# Altium PCB higgs.PcbDoc (part 1 of 25)
Units mm, origin at the board's own origin, x right, y up, seen from the top; angles counter-clockwise.
Board outline 160 x 160 mm, 15 copper layers (TOP, P1(GND), S1(V), P2(GND), S2(H), P3(GND), S3(V12/V2V5), S4(VDDR), P4(GND), S5(V), P5(GND), S6(H), P6(GND), P1(GND) (Plane1), BOT), stack 3.262 mm thick; 1283 components, 2419 nets, 11066 pads, 5487 vias.
Unrouted connection lines stored in the file: 239.
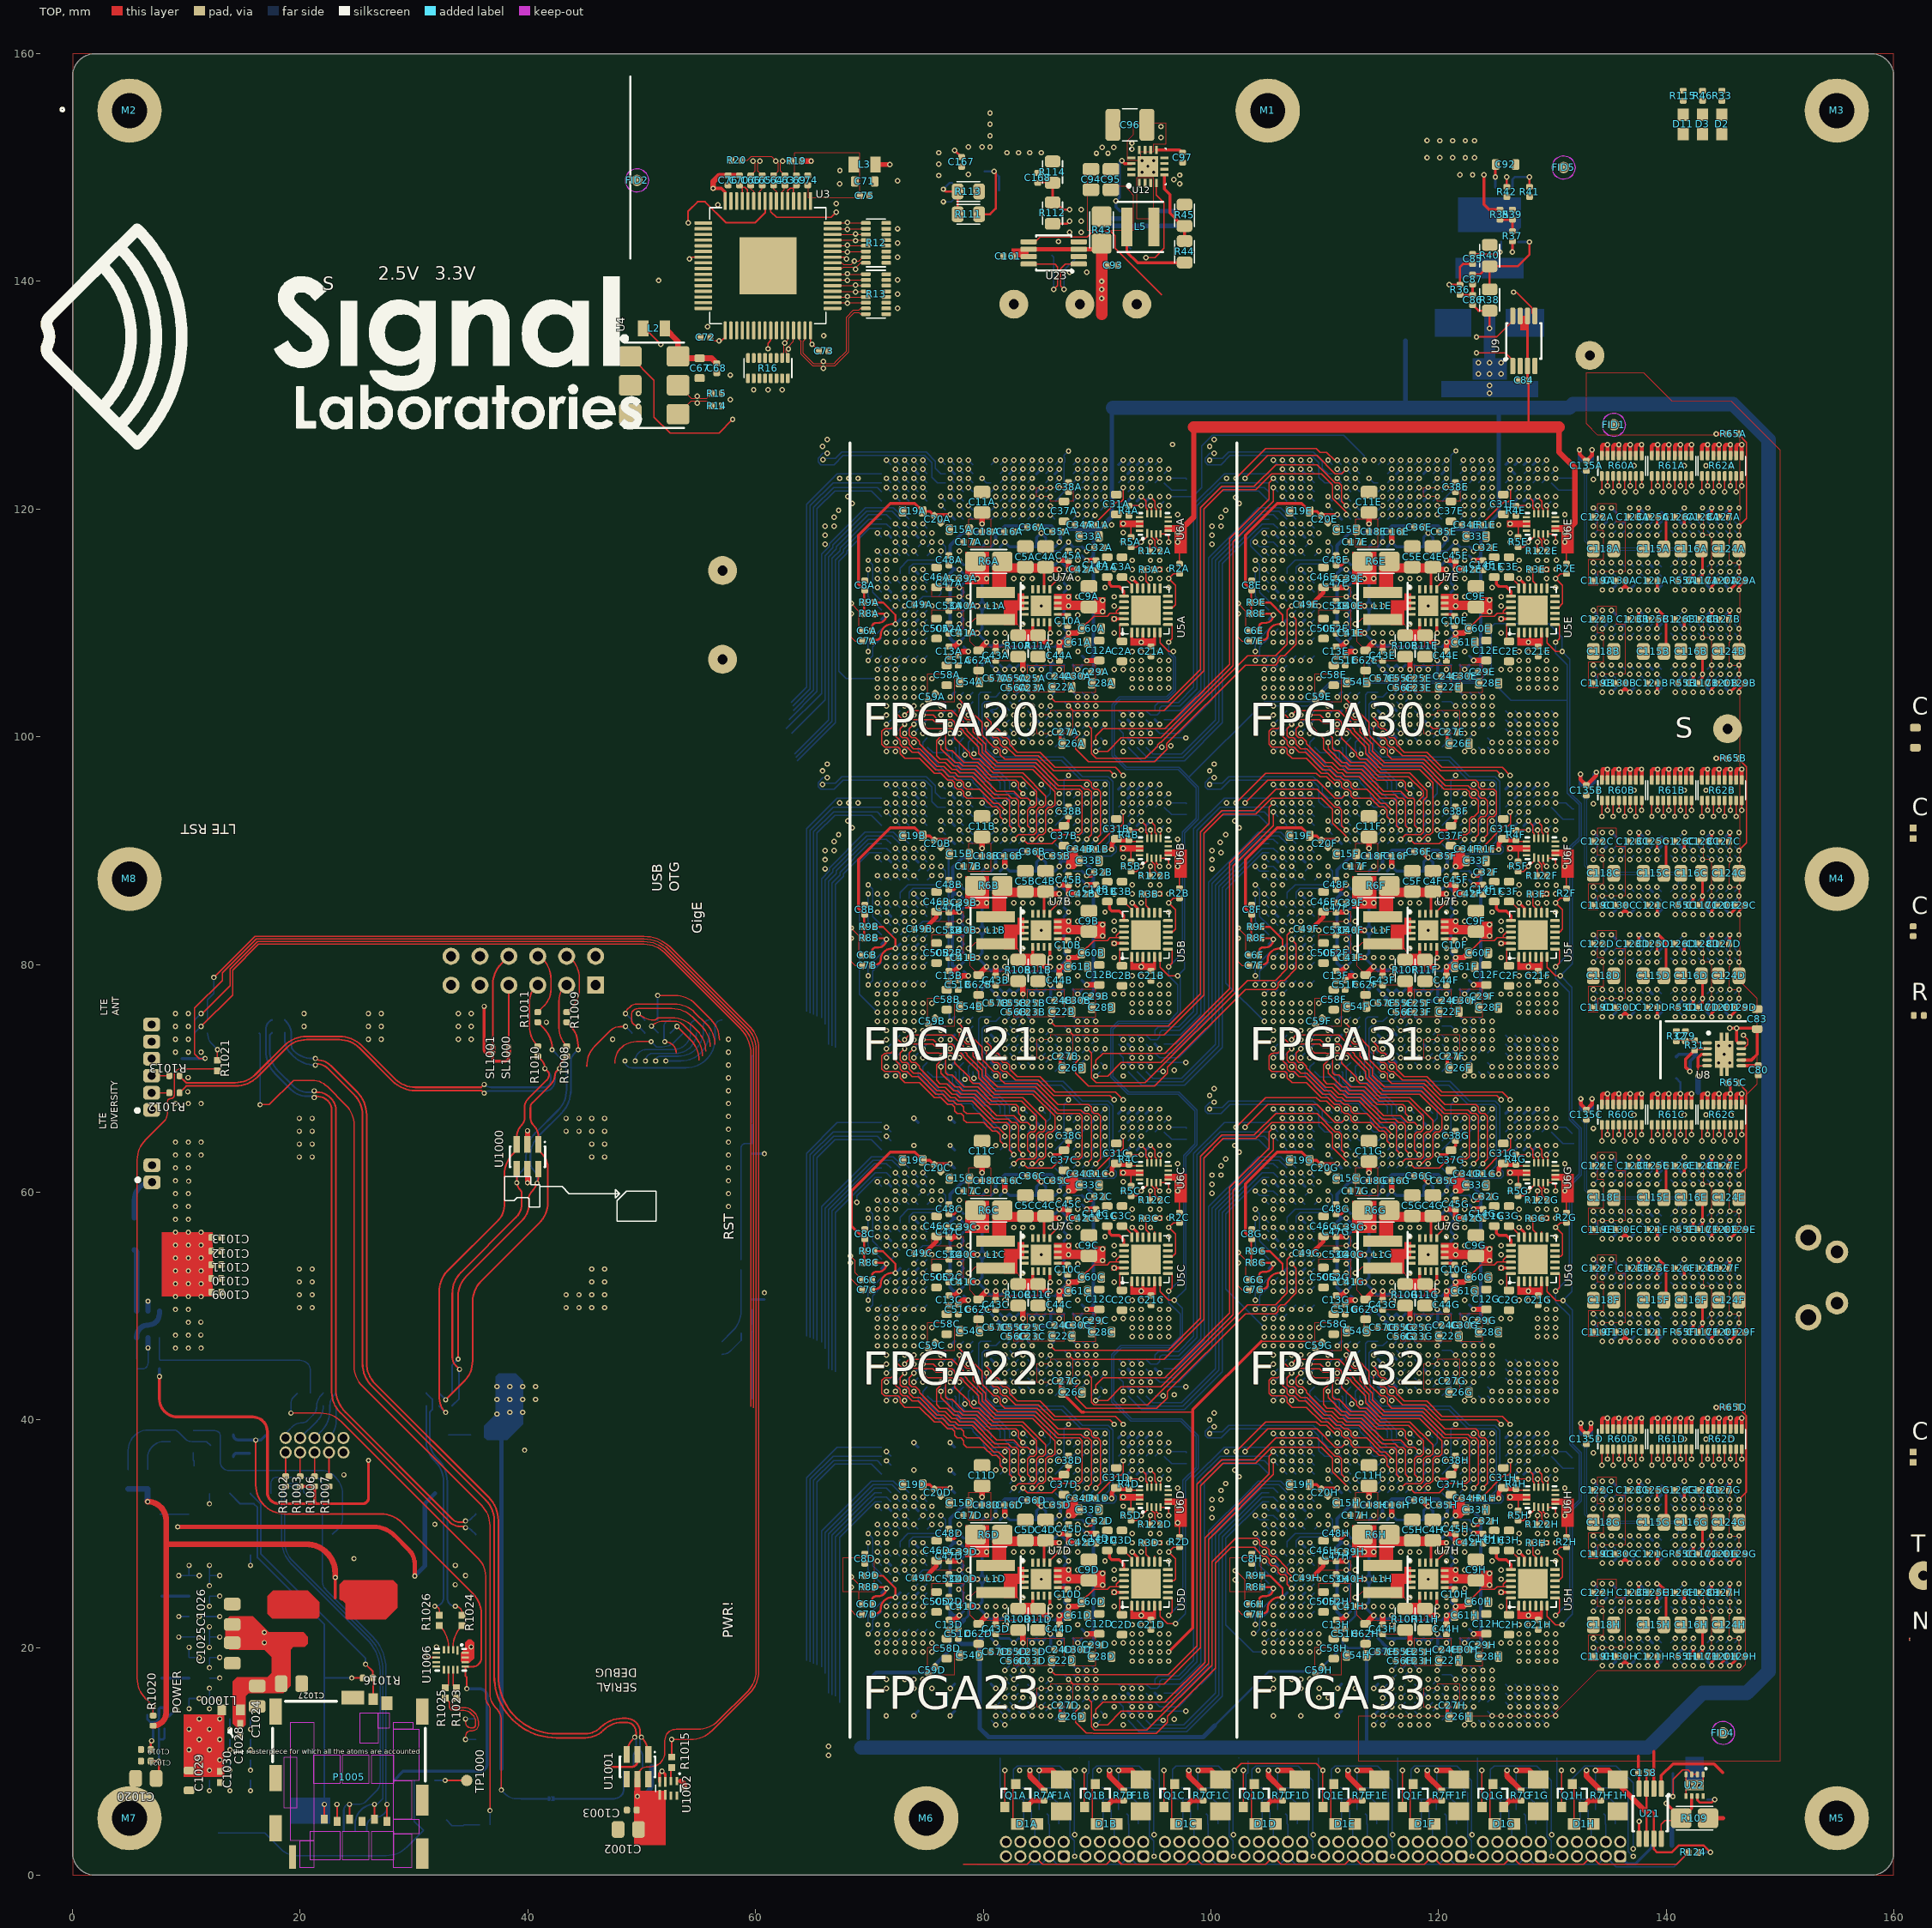
[diagram p0: TOP view]
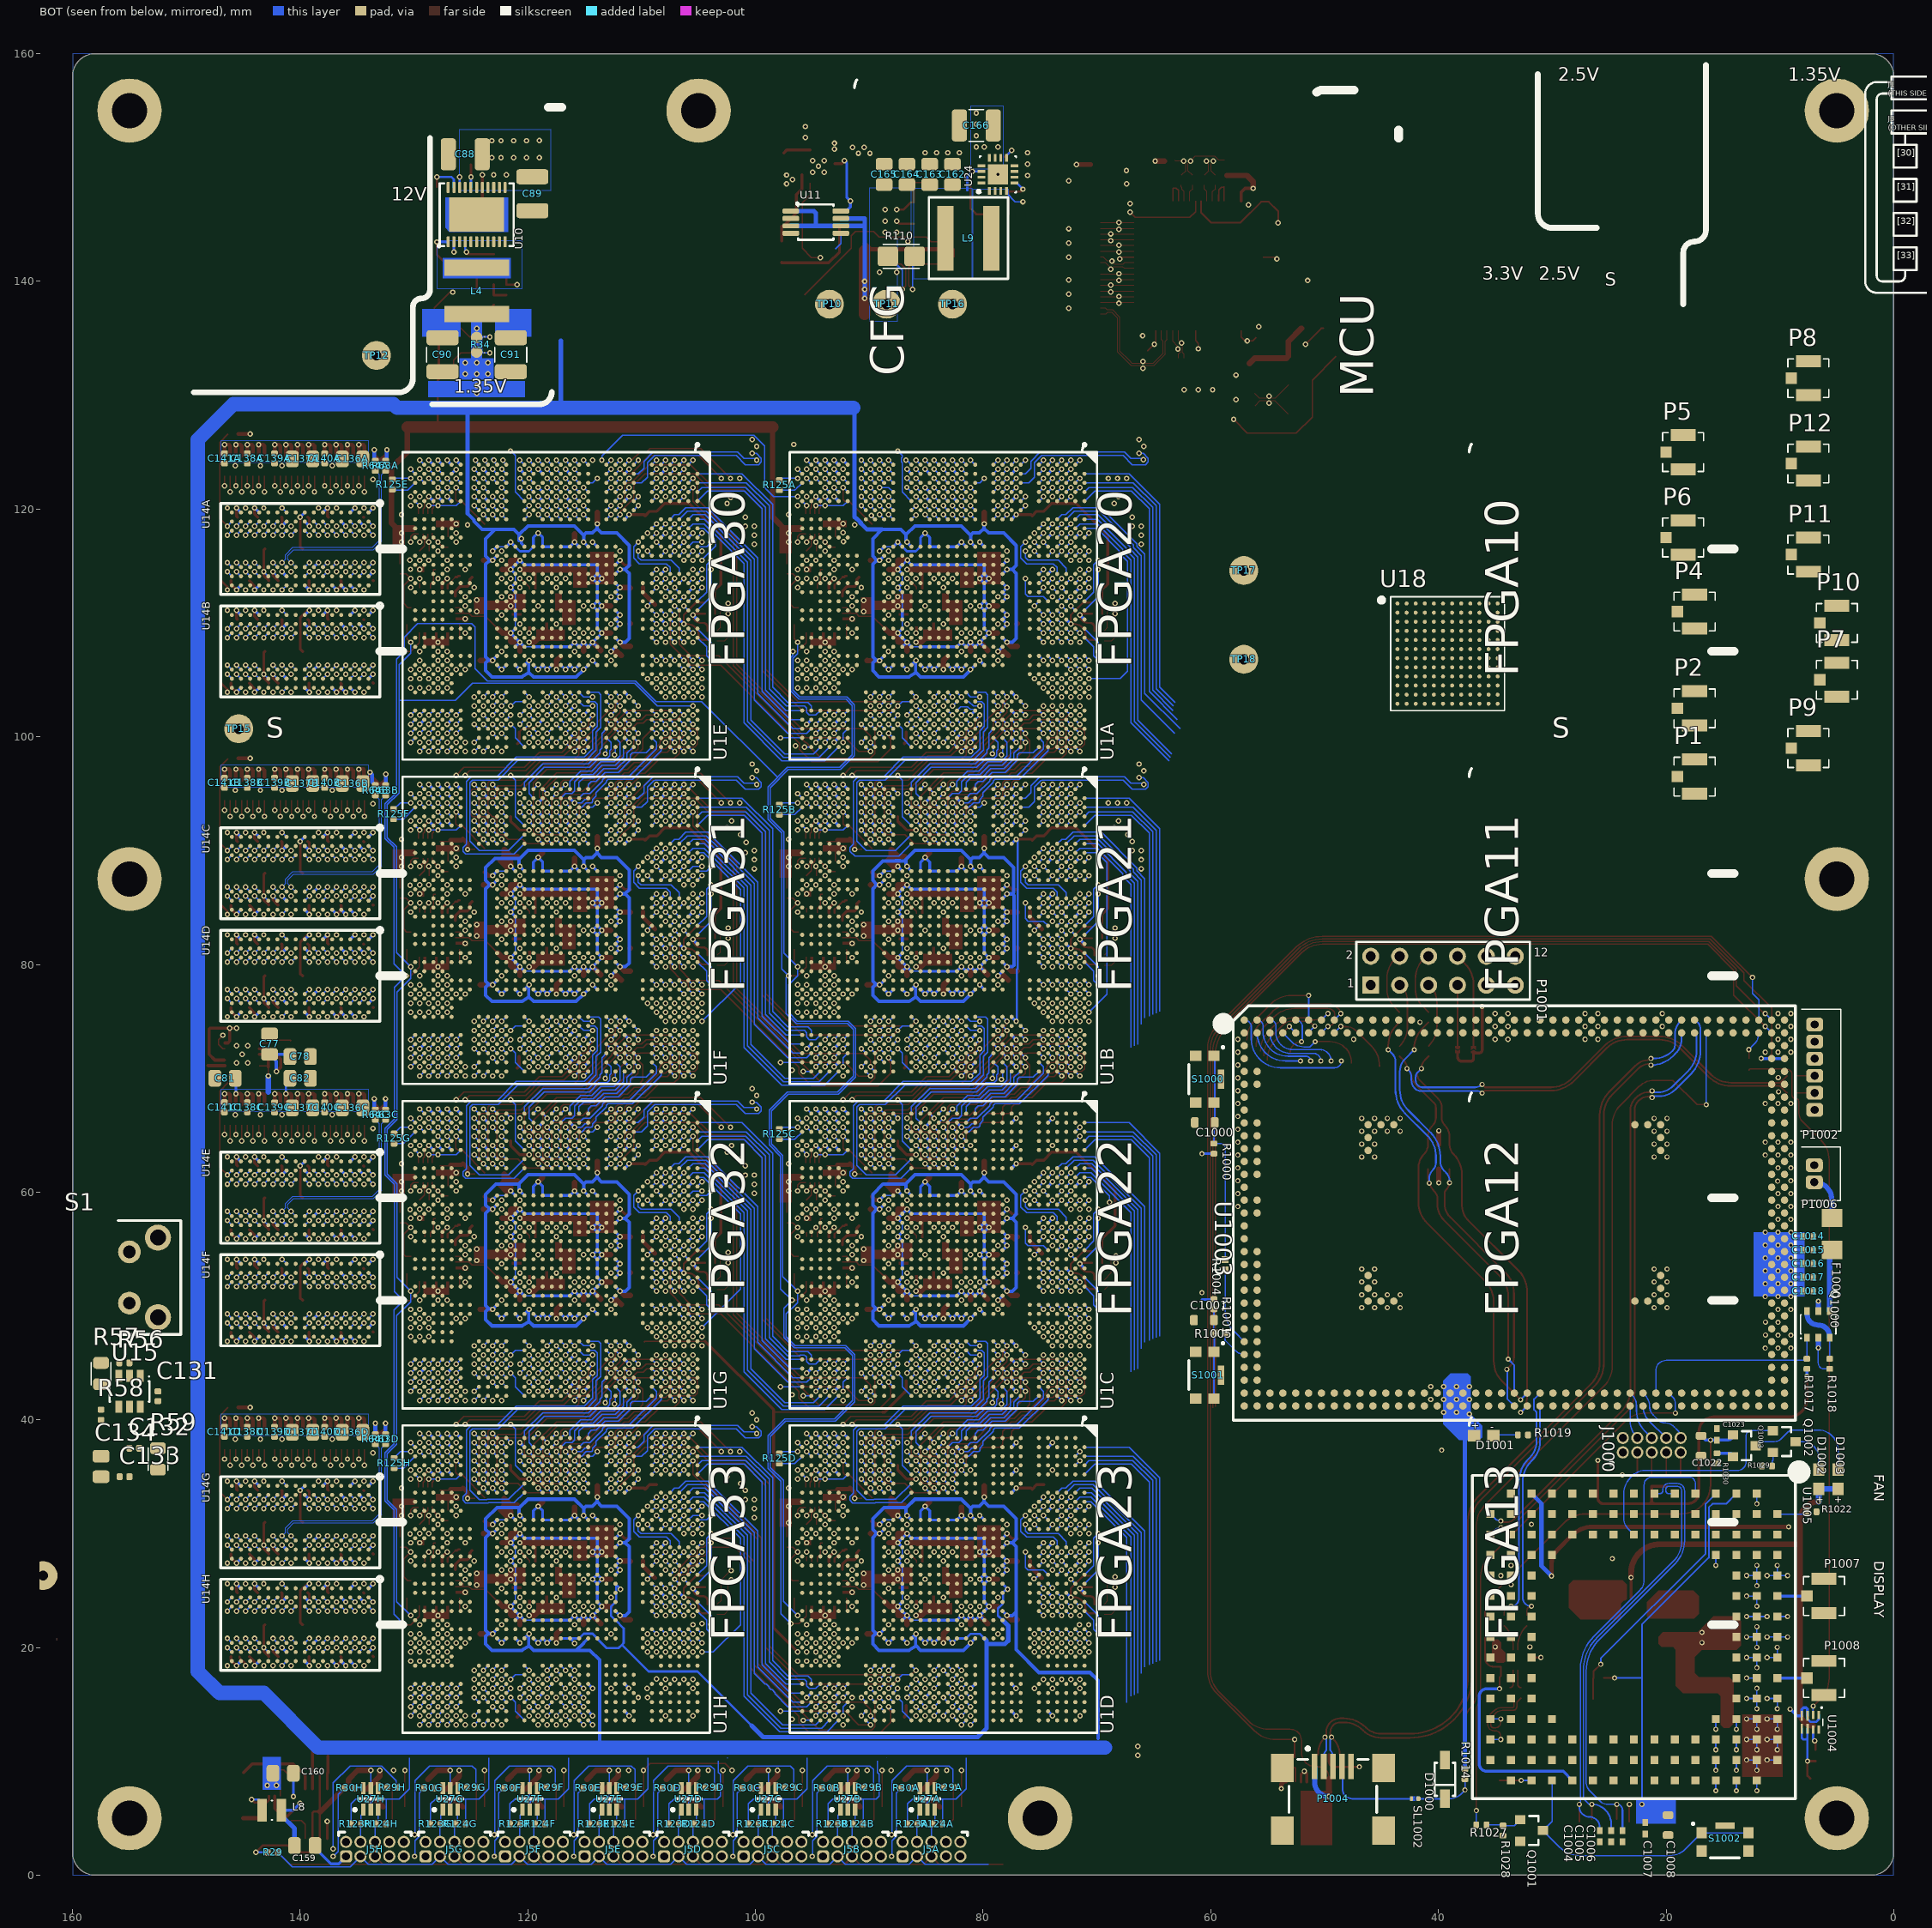
[diagram p1: BOT view, seen from below]
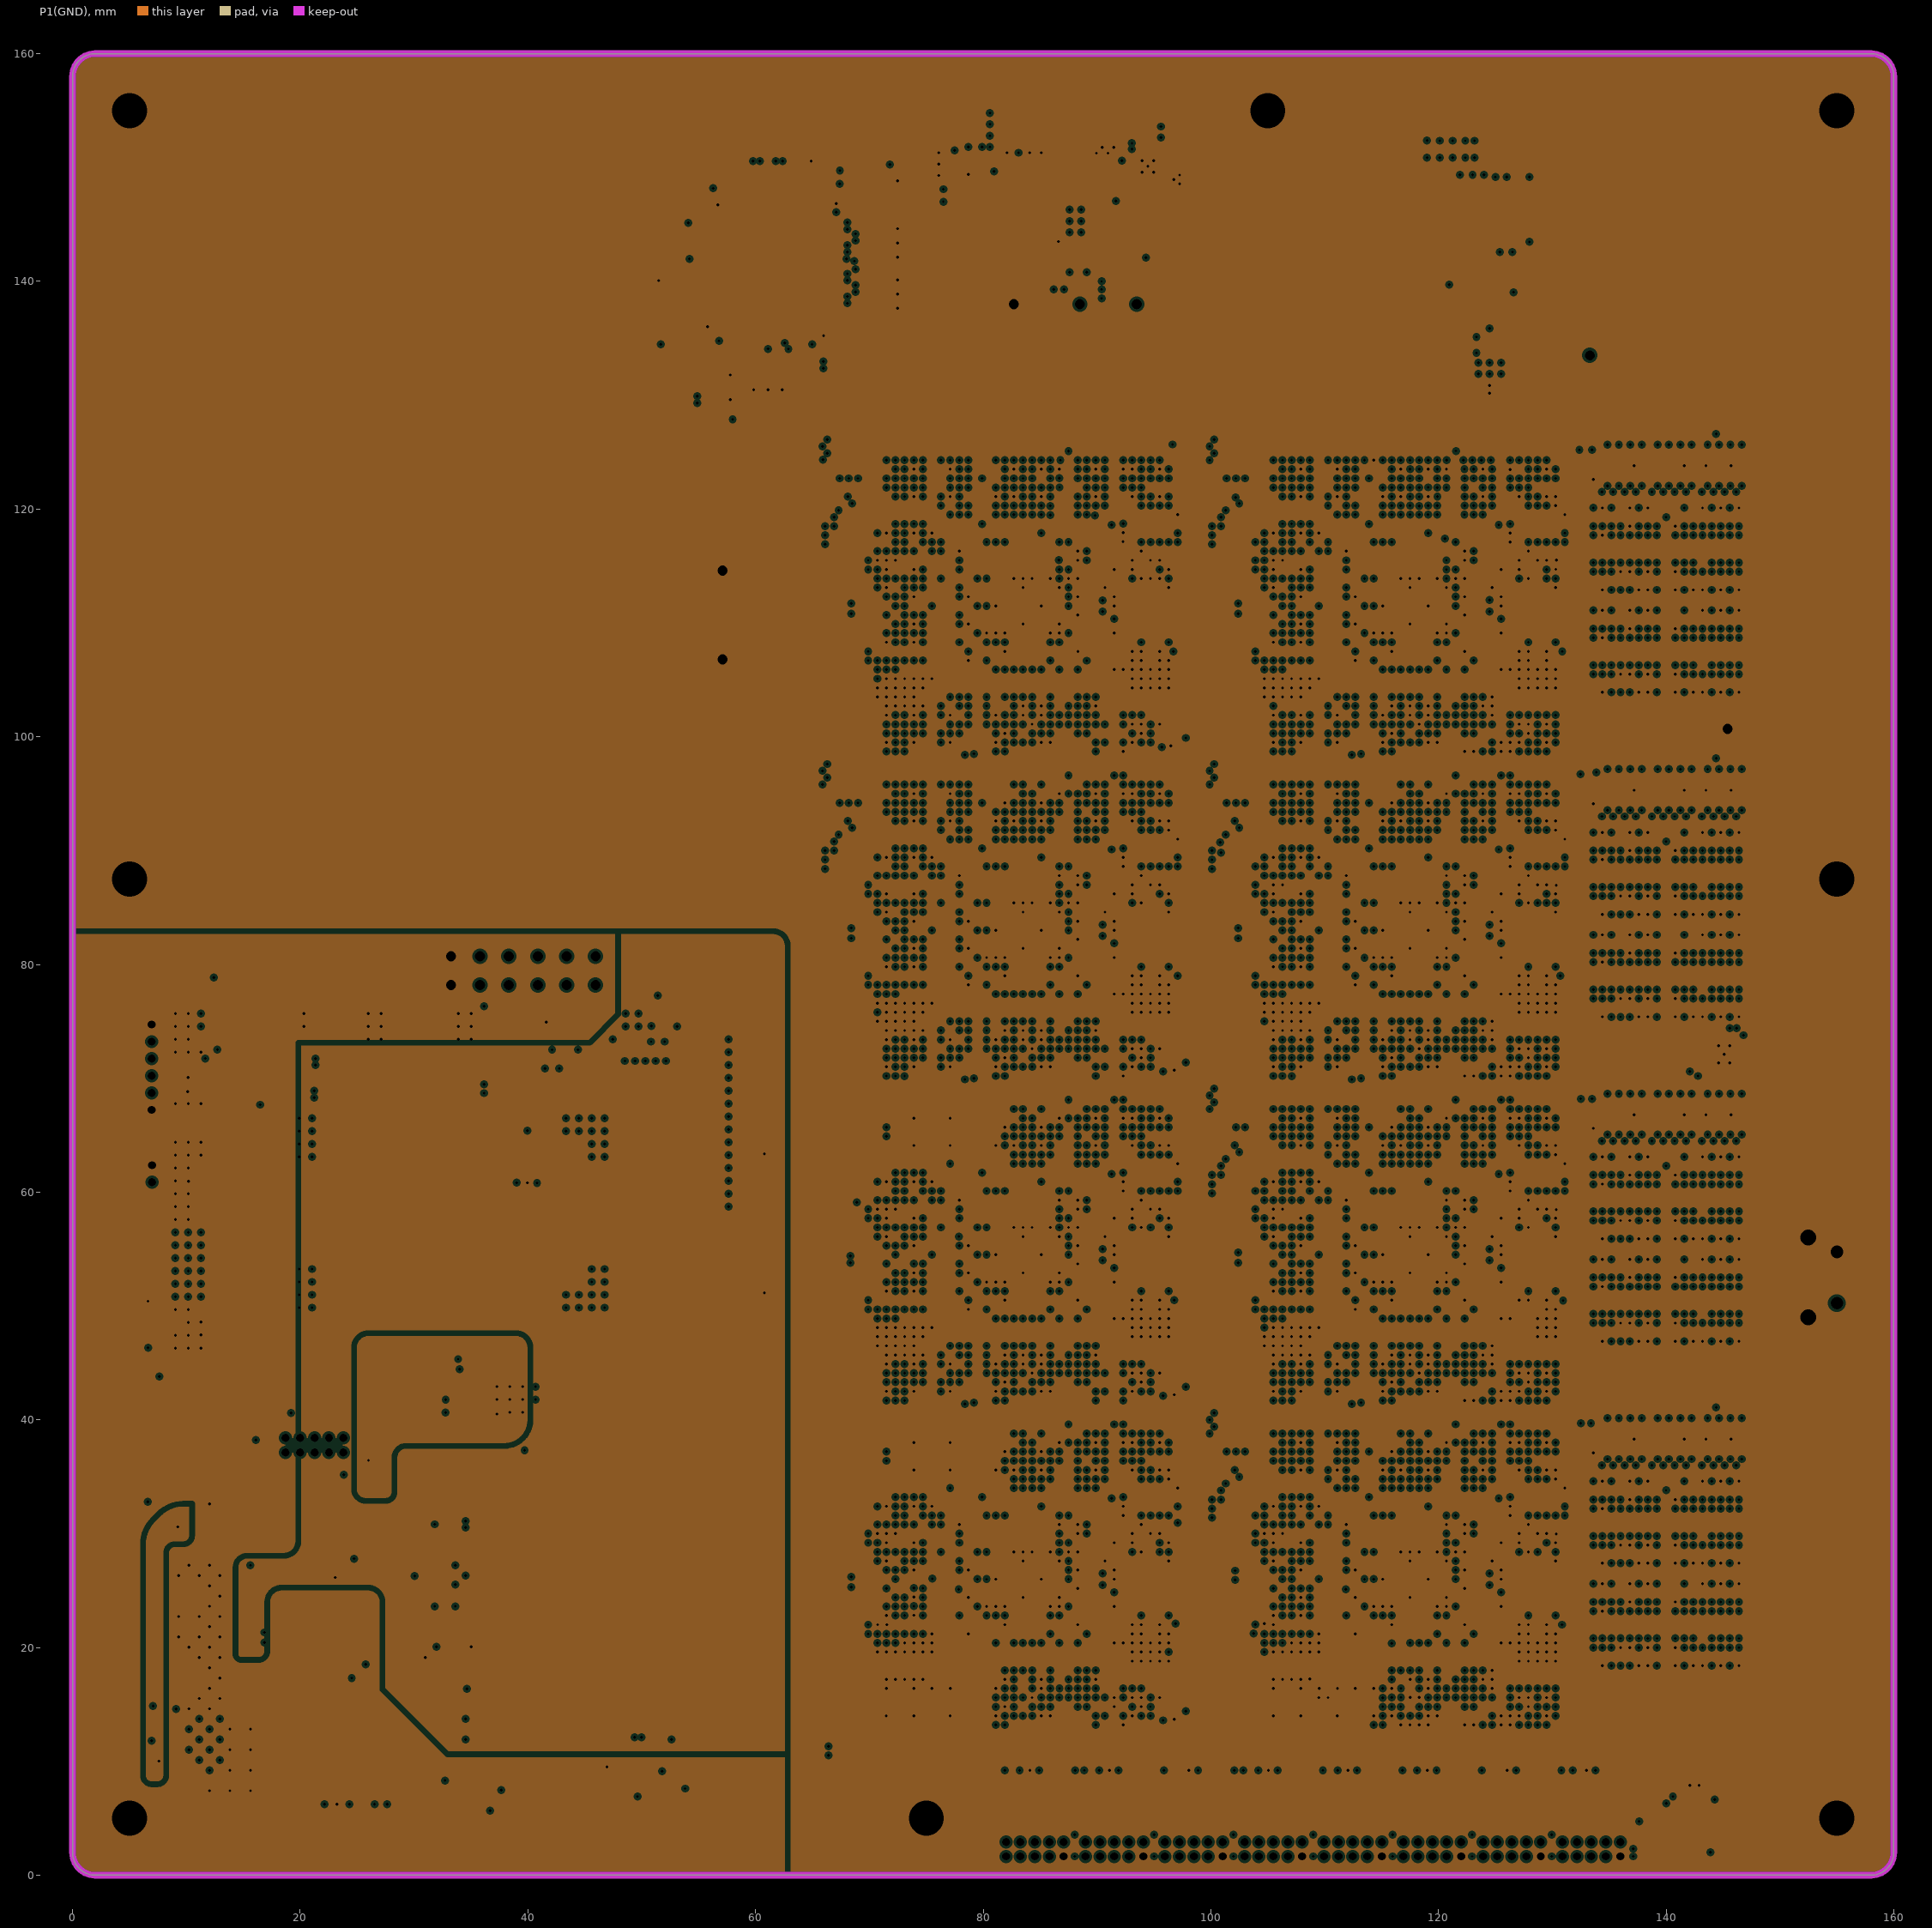
[diagram p2: P1(GND), clearances drawn from the general rule]
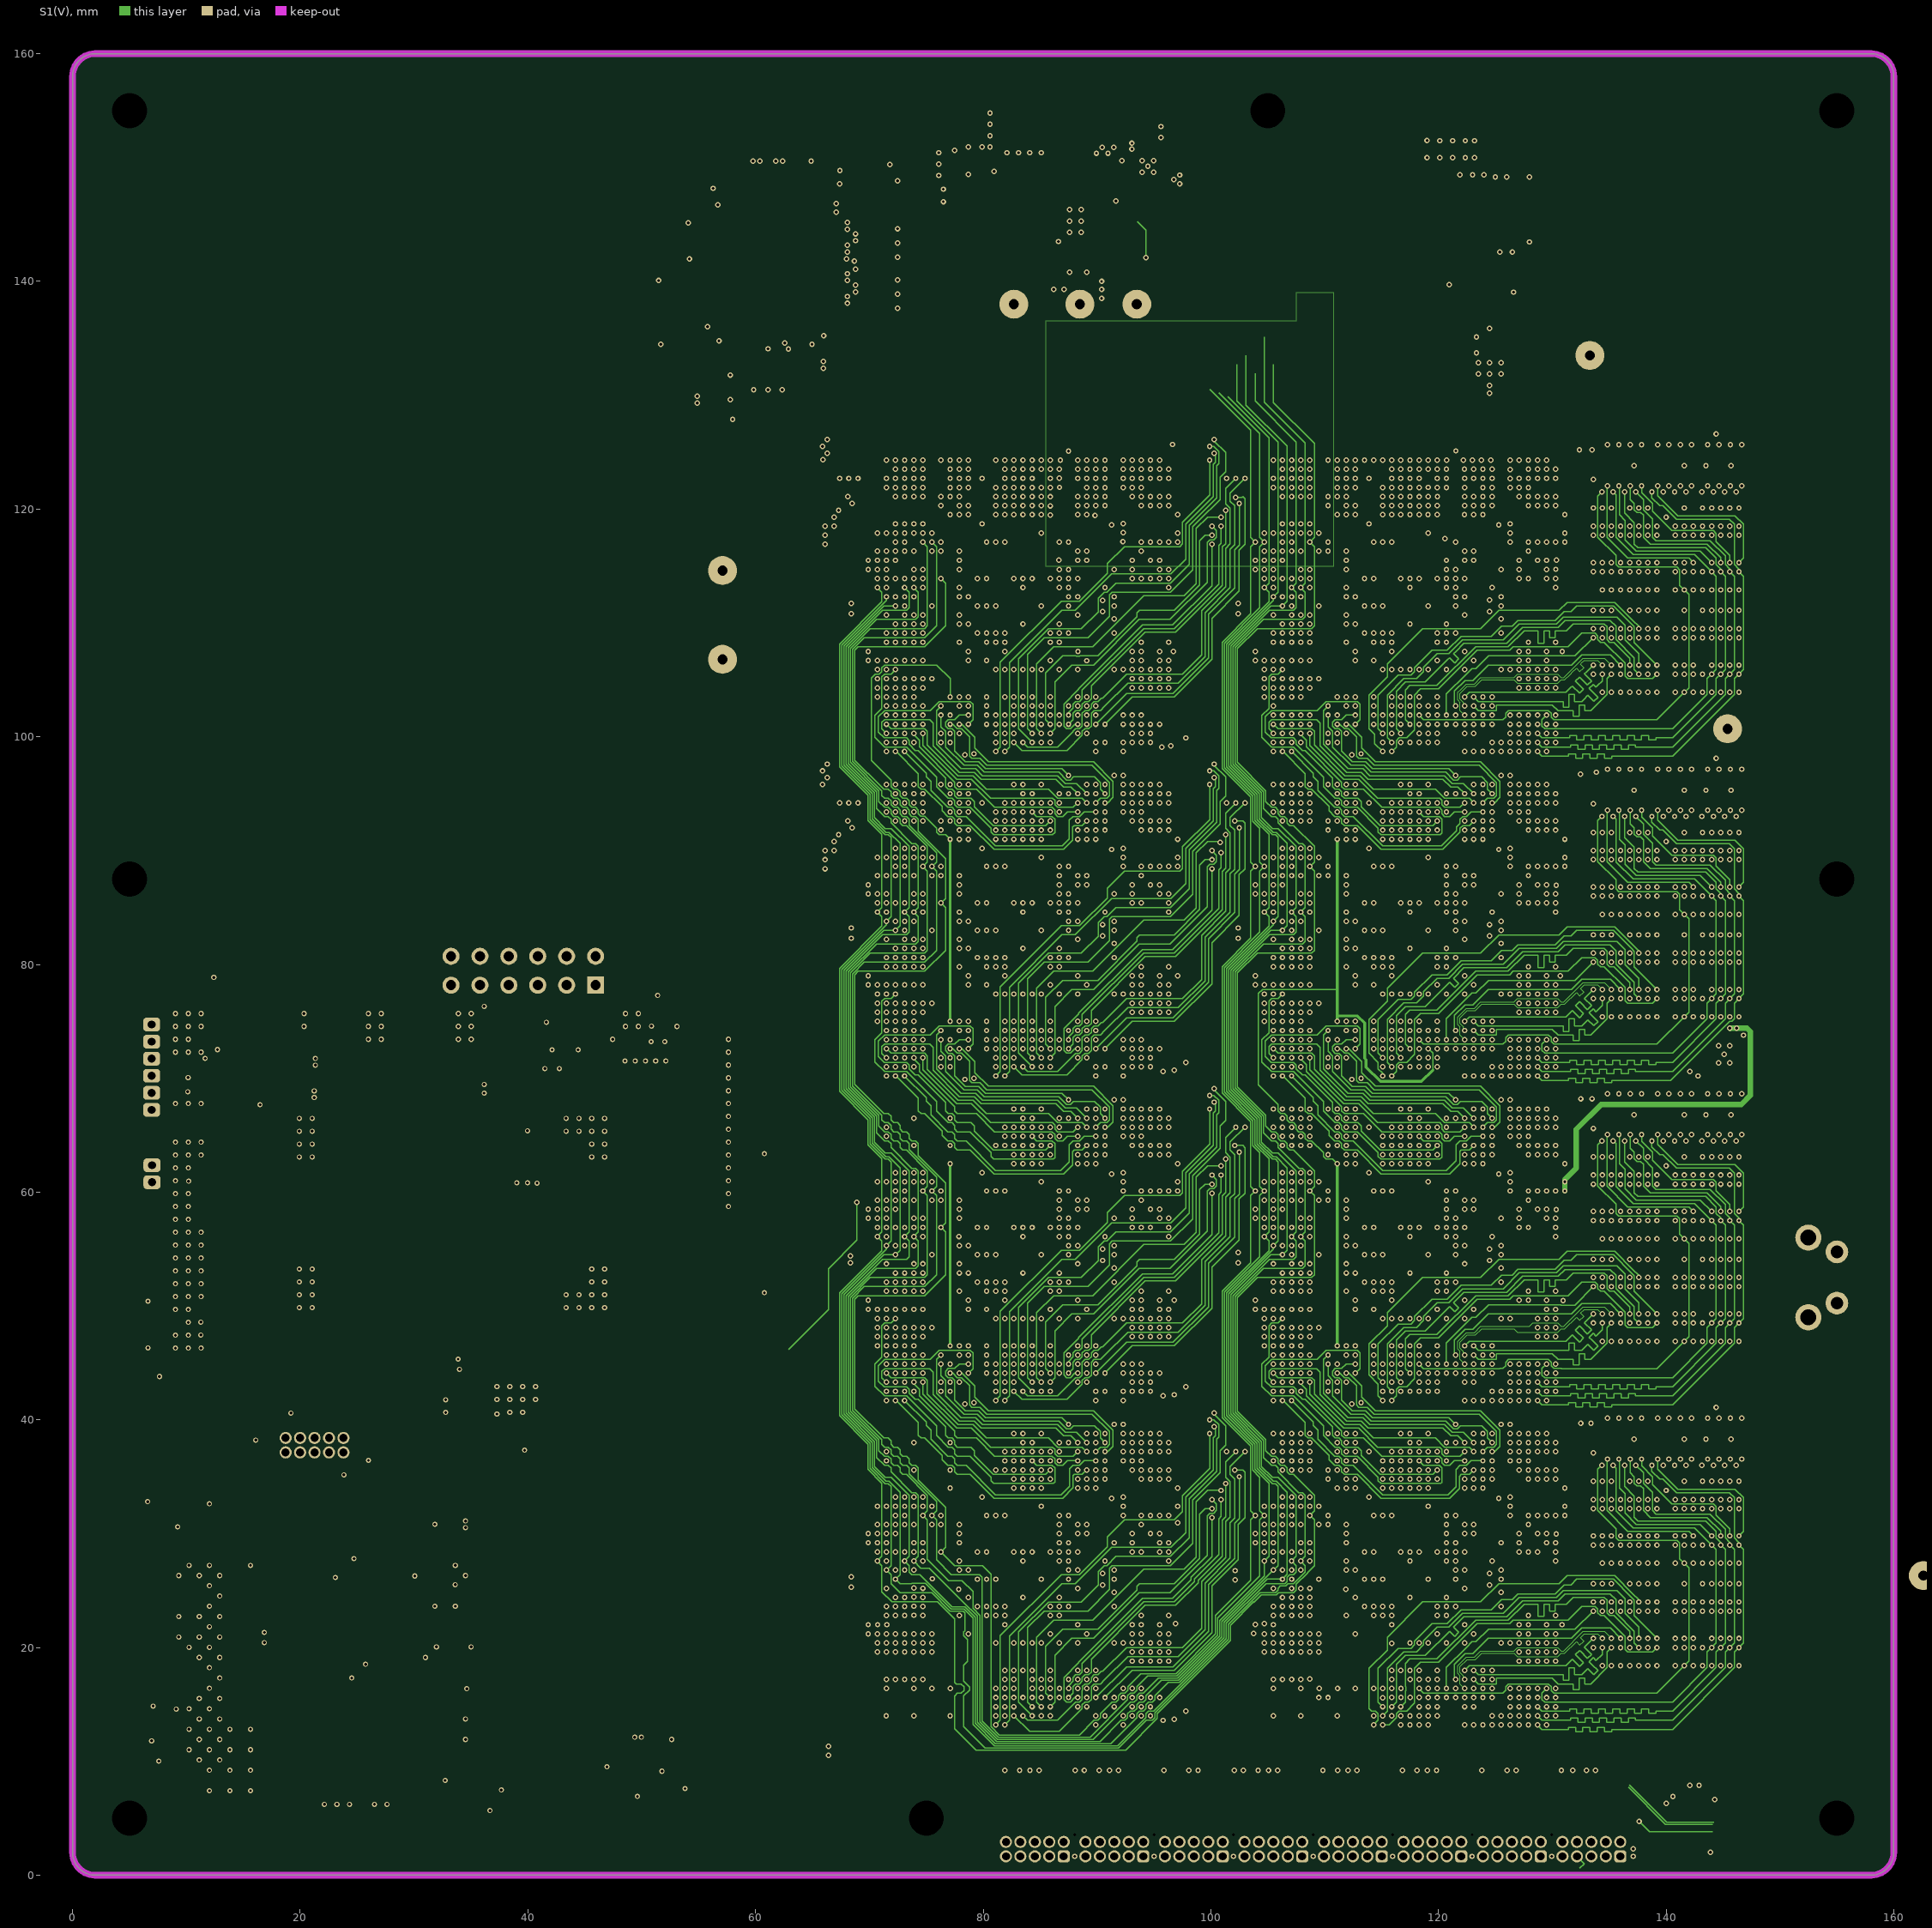
[diagram p3: S1(V)]